# KiCad board beaglebone-ai.kicad_pcb (continued)
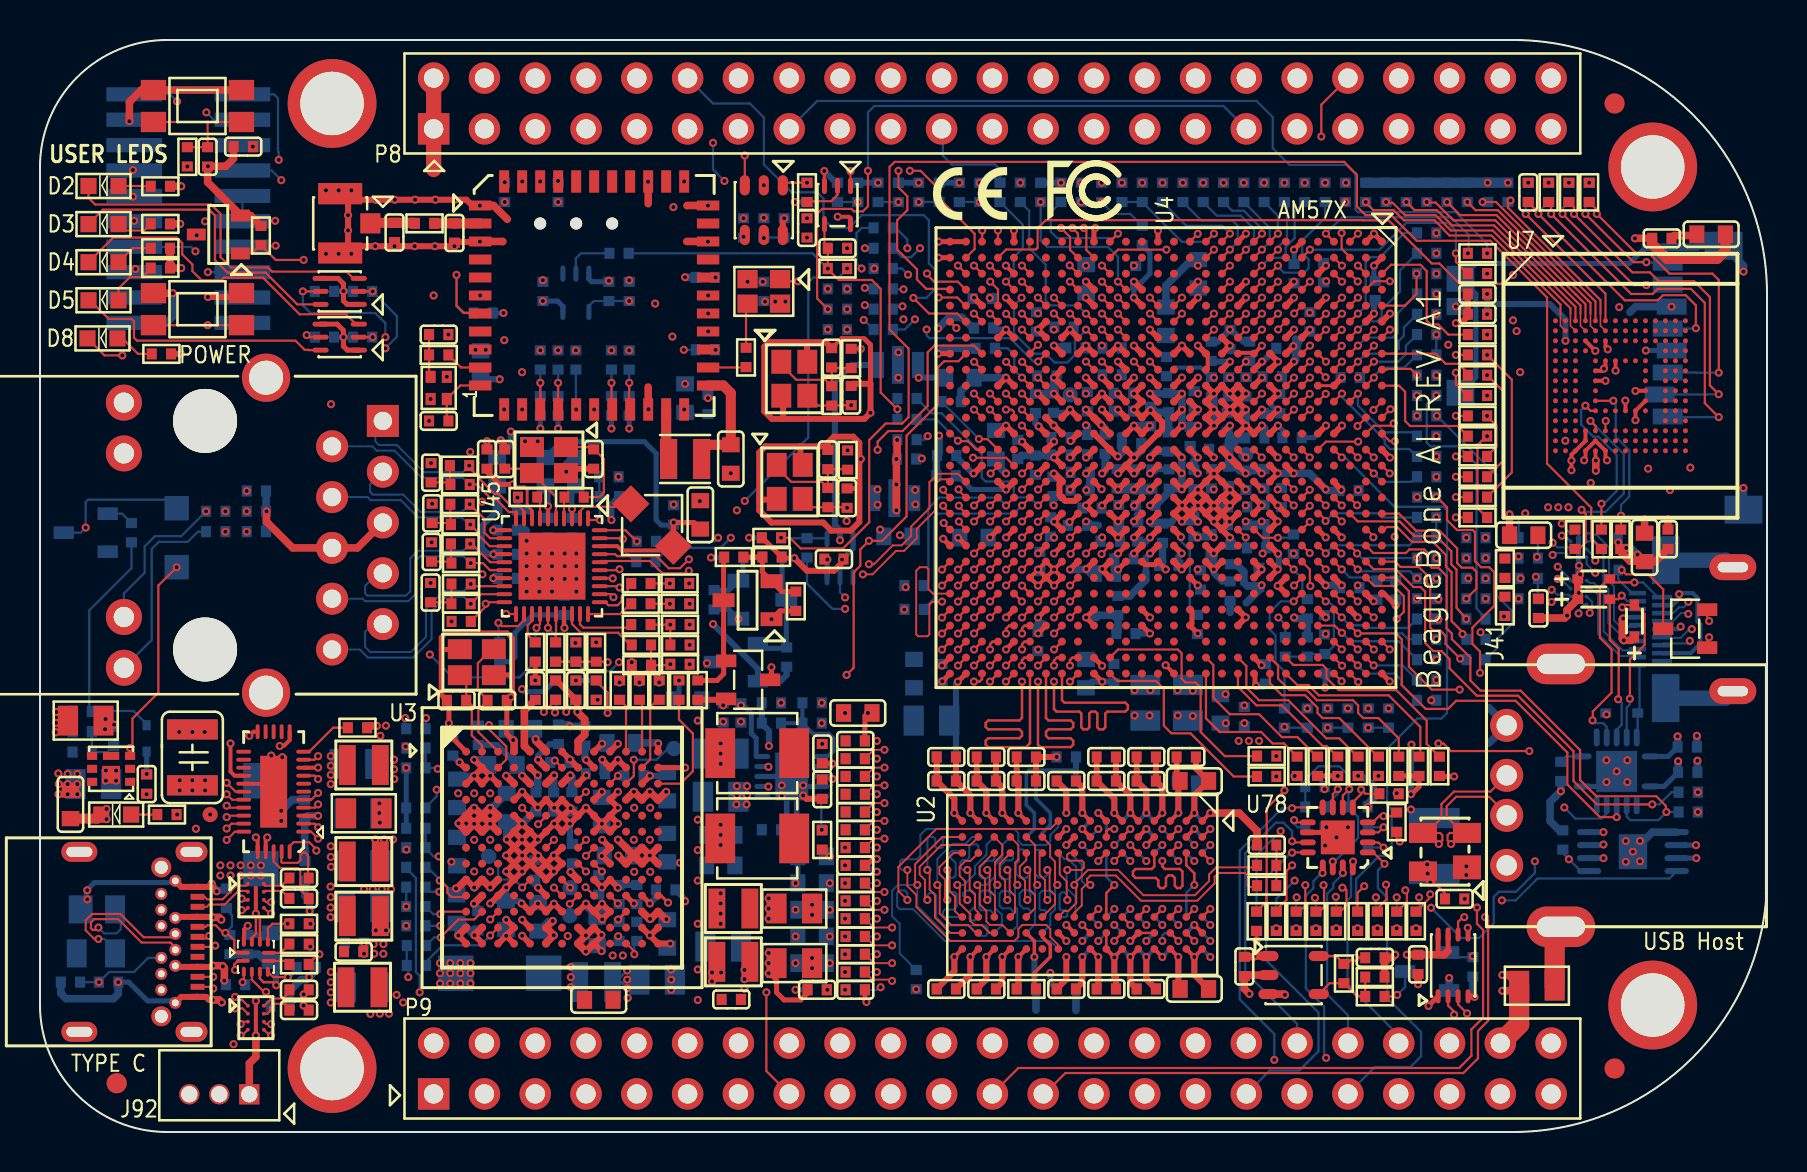
[diagram p0: board, top side]
## Routing (per net, layer and track width the routed paths; a pad name or vN(x,y) marks a point on that pad's centre or on a via; arc(x,y) is an arc through that point) (continued)
  SIG_L10 w0.102: v1(69.82,37.85) 69.84,37.85 70.55,37.14 70.55,36.13 70.29,35.88 70.29,35.24 69.85,34.8 v1(69.82,34.8)
/Exp Conn/LCD_VSYNC: length 41
  TOP w0.114: R666.2 73.22,33.62 73.22,37 v1(72.36,37.85)
  SIG_L8 w0.102: P8.27 53.98,51.44 53.98,53.34 54.36,53.72 58.86,53.72 59.31,53.28 59.31,52.13 59.88,51.56 66.14,51.56 66.68,51.03 66.68,48.11 67.03,47.75 67.67,47.75 68.81,46.61 68.81,46.28 69.04,46.05 70.21,46.05 70.74,45.52 70.74,44.58 70.41,44.25 70.41,42.98 71.78,41.61 71.78,38.39 72.33,37.85 v1(72.36,37.85)
/Exp Conn/MCASP_FSR: length 46
  SIG_L8 w0.102: P9.27 53.54,2.74 68.33,2.74 69.47,3.89 69.47,5.38 70.08,5.99 70.08,9.7 70.64,10.26 70.64,13.33 71.3,14 71.3,16.71 72.09,17.5 72.09,20.68 73.09,21.68 73.09,23.94 74.88,25.73 74.88,27.27 75.18,27.58 75.18,27.99 74.86,28.31 v1(74.86,28.76)
  BOTTOM w0.114: R669.2 R668.2
/Exp Conn/SPI3_D1: length 16.7
  SIG_L5 w0.102: v1(65.89,10.19) 66.29,9.78 66.29,8.03 63.98,5.71 63.98,4.29 62.94,3.25 56.59,3.25 P9.29
/Exp Conn/SPI3_SCLK: length 14.5
  SIG_L5 w0.102: v1(66.88,10.19) 66.88,10.13 66.66,9.92 66.66,7.92 64.24,5.5 64.24,4.19 63.04,3 58.88,3 P9.31
/Exp Conn/UART3_RXD: length 39.9
  SIG_L5 w0.102: P9.22 46.39,3.14 48.39,3.14 48.89,3.64 48.89,5.07 49.95,6.12 52.35,6.12 52.83,6.6 59.39,6.6 60.4,7.61 61.97,7.61 64.19,9.83 64.19,10.41 63.65,10.95 62.69,10.95 60.17,13.46 60.17,18.16 61.47,19.46 63.63,19.46 v1(64.39,20.22)
  BOTTOM w0.114: R697.2 v1(64.39,20.22)
/Exp Conn/UART3_TXD: length 45.6
  SIG_L5 w0.102: v1(66.42,20.22) 70,20.22 70.31,19.91 70.31,19.05 69.27,18.01 69.27,14.05 69.95,13.36 69.95,10.97 69.8,10.82 69.39,10.82 69.14,11.07 64.99,11.07 64.41,10.5 64.41,9.68 62.87,8.13 62.87,6.96 62.26,6.35 53.04,6.35 52.55,5.87 50.02,5.87 49.15,5 49.15,3.52 48.51,2.88 46.13,2.88 45.15,1.9 P9.21
  BOTTOM w0.114: R694.2 v1(66.42,20.22)
/Exp Conn/UART5_RXD: length 65
  SIG_L8 w0.102: P9.11 33.27,2.79 51.54,2.79 51.74,3 68.14,3 69.19,4.05 69.19,5.46 69.82,6.1 69.82,9.93 70.41,10.52 70.41,13.49 71.02,14.1 71.02,16.81 71.83,17.63 71.83,20.8 72.85,21.82 72.85,24.03 74.65,25.83 74.65,27.48 74.8,27.64 v1(74.8,27.76)
  BOTTOM w0.114: R687.2 74.9,27.58 74.8,27.69 v1(74.8,27.76) 74.88,27.69 R688.2
/Exp Conn/UART10_RXD: length 18
  SIG_L5 w0.102: P9.26 51.33,5.61 52.76,5.61 53.25,6.11 62.46,6.11 63.25,6.9 63.25,7.81 64.82,9.39 v1(64.82,10.19)
/HDMI/HDMI_CEC: length 8.7
  TOP w0.114: v1(79.5,21.67) 79.5,23.62 80.24,24.36 80.24,25.91 79.79,26.35 D25.2 79.24,26.35 v1(79.12,26.24)
  BOTTOM w0.114: U12.12 79.34,21.23 79.5,21.39 v1(79.5,21.67) ; v1(79.12,26.24) 79.17,26.24 79.26,26.15 J91.15
/HDMI/HDMI_CKN: length 8.6
  SIG_L5 w0.094: v1(82.42,26.52) 82.42,26.47 82.22,26.26 81.43,26.26 80.54,27.15 80.54,27.66 79.43,28.78 78.56,28.78 78.23,28.45 77.9,28.45 v1(77.77,28.57)
  BOTTOM w0.102: v1(82.42,26.52) 82.42,26.47 82.19,26.24 81.95,26.24 81.67,25.96 81.12,25.96 J91.14 ; U91.A3 77.78,28.69 77.78,28.57 v1(77.77,28.57)
/HDMI/HDMI_CKP: length 8.7
  SIG_L5 w0.094: v1(82.42,25.91) 82.35,25.91 82.3,25.96 81.31,25.96 80.24,27.03 80.24,27.53 79.3,28.47 78.69,28.47 78.36,28.14 77.95,28.14 v1(77.77,27.97)
  BOTTOM w0.102: v1(82.42,25.91) 82.37,25.96 82.07,25.96 81.65,25.55 J91.12 ; U91.A4 77.34,28.4 v1(77.77,27.97)
/HDMI/HDMI_HDP: length 3.7
  BOTTOM w0.114: U12.13 79.9,19.79 D24.2 79.98,21.04 79.98,23.25 J91.1
/HDMI/HDMI_SCL: length 8.9
  TOP w0.114: v1(79.1,26.82) 78.92,26.64 D21.2 78.5,24.6 78.94,24.16 78.94,21.67 v1(78.92,21.64)
  BOTTOM w0.114: v1(79.1,26.82) 79.37,26.55 J91.17 ; U12.11 78.84,20.12 79.1,20.37 79.1,21.46 v1(78.92,21.64)
/HDMI/HDMI_SDA: length 12.3
  TOP w0.114: v1(77.64,20.59) 77.65,20.6 77.65,21.03 78.59,21.97 78.59,24.13 78,24.71 78,27.23 78.44,27.66 D22.2 78.68,27.48 v1(79.73,27.48)
  BOTTOM w0.114: v1(79.73,27.48) 80.16,27.48 80.9,26.75 J91.18 ; v1(77.64,20.59) 77.77,20.45 78.16,20.45 78.34,20.26 U12.10
/HDMI/HDMI_T0N: length 6.5
  BOTTOM w0.102: J91.11 79.81,25.27 79.02,25.27 78.71,25.59 78.71,27.28 78.46,27.52 78.46,29.24 77.82,29.88 77.59,29.88 77.53,29.94 U91.A1
/HDMI/HDMI_T0P: length 6.5
  BOTTOM w0.102: J91.9 79.84,24.99 78.9,24.99 78.43,25.47 78.43,27.16 78.18,27.41 78.18,29.12 77.7,29.6 77.59,29.6 77.53,29.54 U91.A2
/HDMI/HDMI_T1N: length 8.4
  SIG_L5 w0.094: v1(77.5,25.96) 77.52,25.93 77.52,25.78 78,25.3 79.93,25.3 80.34,24.89 82.22,24.89 82.42,25.1 82.55,25.1 v1(82.6,25.15)
  BOTTOM w0.102: U92.A3 77.35,26.77 77.62,26.51 77.62,26.13 77.5,26.01 v1(77.5,25.96) ; J91.8 81.14,24.71 82.04,24.71 82.42,25.1 82.55,25.1 v1(82.6,25.15)
/HDMI/HDMI_T1P: length 8.3
  SIG_L5 w0.094: v1(82.5,24.56) 82.47,24.59 80.21,24.59 79.81,24.99 77.88,24.99 v1(76.94,25.93)
  BOTTOM w0.102: v1(82.5,24.56) 82.5,24.54 82.4,24.43 81.2,24.43 J91.6 ; U92.A4 77.23,26.37 76.94,26.09 v1(76.94,25.93)
/HDMI/HDMI_T2N: length 5.2
  BOTTOM w0.102: J91.5 79.82,24.09 79.14,24.09 78.19,25.03 78.19,26.98 77.71,27.46 77.5,27.46 77.38,27.57 U92.A1
/HDMI/HDMI_T2P: length 5.1
  BOTTOM w0.102: U92.A2 77.34,27.18 77.6,27.18 77.91,26.86 77.91,24.92 79.02,23.81 79.82,23.81 J91.3
/MMC_UBOOT/MMC2_CLK: length 21.7
  TOP w0.114: v1(78.3,35.56) 78.28,35.55 U7.M6
  SIG_L8 w0.102: v1(65.3,47.47) 65.3,47.41 65.85,46.86 65.85,46.23 66.14,45.94 66.9,45.94 69.28,43.56 69.28,42.67 69.53,42.42 70.56,42.42 71.56,41.41 71.56,38.09 72.29,37.36 72.57,37.36 73.05,36.88 77.61,36.88 78.3,36.19 v1(78.3,35.56)
  BOTTOM w0.114: R202.1 v1(65.3,47.47)
/MMC_UBOOT/MMC2_CMD: length 29.2
  TOP w0.114: v1(77.09,31.12) 77.29,30.91 77.29,29.49 76.96,29.16 R188.2 ; U4.H6 v1(61.9,40.93) ; U7.M5 77.79,35.07 77.79,35.31 v1(77.53,35.56)
  SIG_L8 w0.102: v1(61.9,40.93) 62.07,40.93 62.48,40.51 62.87,40.51 63.12,40.26 63.12,39.95 63.35,39.73 63.72,39.73 63.94,39.5 63.94,39.12 64.13,38.93 68.14,38.93 68.45,38.61 68.45,37.59 68.83,37.21 71.07,37.21 71.83,36.45 76.64,36.45 v1(77.53,35.56)
  BOTTOM w0.114: v1(77.09,31.12) 77.19,31.01 78.28,31.01 79.2,31.93 79.2,33.9 v1(77.53,35.56)
/MMC_UBOOT/MMC2_DAT0: length 22
  TOP w0.114: v1(68.33,46.51) 68.73,46.1 69.85,46.1 70.61,45.34 72.71,45.34 76.78,41.26 U7.A3 ; U4.J4 v1(61.1,42.53)
  SIG_L5 w0.102: v1(68.33,46.51) 68.02,46.51 67.28,45.77 62.22,45.77 61.51,45.07 61.51,43.17 61.1,42.77 v1(61.1,42.53)
/MMC_UBOOT/MMC2_DAT1: length 23
  TOP w0.114: v1(70.36,46.51) 71.01,45.85 72.83,45.85 76.79,41.89 77.28,41.4 U7.A4 ; U4.J6 v1(61.1,40.92)
  SIG_L5 w0.102: v1(61.1,40.92) 61.1,40.93 61.37,40.93 61.77,41.33 62.15,41.33 62.31,41.48 62.31,41.91 62.48,42.09 62.87,42.09 63.07,42.29 63.07,43.05 64.49,44.48 67.01,44.48 68.12,45.59 69.88,45.59 70.36,46.08 v1(70.36,46.51)
/MMC_UBOOT/MMC2_DAT2: length 22.9
  TOP w0.114: U4.H4 v1(61.9,42.53) ; v1(72.14,46.51) 72.81,46.51 77.78,41.53 U7.A5
  SIG_L5 w0.102: v1(72.14,46.51) 71.55,47.09 70.02,47.09 69.72,46.8 69.72,46.16 69.61,46.05 67.93,46.05 67.42,45.54 63.32,45.54 62.29,44.51 62.29,43.19 61.9,42.8 v1(61.9,42.53)
/MMC_UBOOT/MMC2_DAT3: length 25.1
  TOP w0.081: 76.03,40.92 76.03,40.32 U7.B2
  TOP w0.114: U4.H5 v1(61.9,41.73) ; v1(66.29,46.51) 66.29,46.48 66.68,46.1 67.69,46.1 68.2,45.59 69.74,45.59 70.21,45.12 70.21,45.1 70.49,44.83 72.58,44.83 76.03,41.38 76.03,40.92
  SIG_L5 w0.102: v1(61.9,41.73) 61.8,41.73 61.4,41.32 60.94,41.32 60.7,41.55 60.7,45.15 61.66,46.1 65.89,46.1 v1(66.29,46.51)
/MMC_UBOOT/MMC2_DAT4: length 26.8
  TOP w0.081: 76.53,40.92 76.53,40.32 U7.B3
  TOP w0.114: v1(67.31,46.51) 67.35,46.46 67.65,46.46 68.26,45.85 69.79,45.85 70.55,45.08 72.64,45.08 76.53,41.2 76.53,40.92 ; U4.K7 v1(60.3,40.12)
  SIG_L5 w0.102: v1(60.3,40.13) 60.1,40.32 60.1,40.32 59.9,40.52 59.9,45.3 61.1,46.49 64.6,46.49 65,46.89 66.93,46.89 v1(67.31,46.51)
/MMC_UBOOT/MMC2_DAT5: length 28.2
  TOP w0.081: 77.03,40.92 77.03,40.32 U7.B4
  TOP w0.114: 77.03,40.92 77.03,41.33 72.77,45.59 70.68,45.59 69.79,46.48 69.37,46.48 v1(69.34,46.51) ; U4.M7 v1(58.7,40.13)
  SIG_L5 w0.102: v1(69.34,46.51) 68.76,47.09 64.87,47.09 64.57,46.79 60.81,46.79 59.15,45.13 59.15,41.07 59.15,40.57 v1(58.7,40.13)
/MMC_UBOOT/MMC2_DAT6: length 24.1
  TOP w0.081: U7.B5 77.53,40.32 77.53,40.92
  TOP w0.114: v1(61.1,41.73) U4.J5 ; 77.53,40.92 77.53,41.47 77.43,41.57 77.43,41.57 72.9,46.1 71.78,46.1 v1(71.37,46.51)
  SIG_L5 w0.102: v1(71.37,46.51) 70.99,46.89 70.13,46.89 69.98,46.74 69.98,46.05 69.77,45.85 68.05,45.85 67.54,45.34 64.01,45.34 63.07,44.4 63.07,43.51 62.31,42.75 62.31,42.29 62.14,42.13 61.5,42.13 v1(61.1,41.73)
/MMC_UBOOT/MMC2_DAT7: length 28.5
  TOP w0.081: U7.B6 78.03,40.32 78.03,40.92
  TOP w0.114: U4.K6 v1(60.3,40.93) ; 78.03,40.92 78.03,41.6 73.41,46.23 73.41,46.46 v1(73.53,46.58)
  SIG_L5 w0.102: v1(73.53,46.58) 73.53,43.33 72.72,42.52 69.42,42.52 69.04,42.14 66.93,42.14 66.14,42.93 65.71,42.93 65.51,42.72 65.51,41.58 65.25,41.33 64.08,41.33 63.91,41.15 63.91,40.77 63.65,40.51 60.72,40.51 v1(60.3,40.92)
/USB/CC1: length 5
  TOP w0.114: U22.1 9.83,8.96 9.72,9.08 9.72,9.59 9.3,10.01 ; 9.3,10.01 9.3,9.98 v1(9.27,9.96) ; 9.3,10.01 9.27,10.03 9.09,10.03 8.79,10.34 8.36,10.34 8.28,10.26 J42.A5
  BOTTOM w0.114: R533.1 9.32,11.13 9.6,10.85 9.6,10.29 v1(9.27,9.96) 9.4,9.96 D46.2
/USB/CC2: length 17.5
  TOP w0.114: v1(9.75,8.1) 9.72,8.14 9.72,8.38 9.9,8.56 U22.2
  INT_L3 w0.102: J42.B5 5.21,7.85 5.21,5.41 5.66,4.95 6.4,4.95 7.26,5.82 10.01,5.82 10.34,6.15 10.34,6.88 10.59,7.14 10.59,7.75 10.24,8.1 v1(9.75,8.1)
  BOTTOM w0.114: R534.1 v1(2.95,7.49) 3.45,8 4.7,8 5.4,8.71 6.06,8.71 J42.B5
/USB/DC_SW_CTL: length 13.5
  TOP w0.114: v1(6.83,28.24) 5.92,27.33 5.92,21.97 4.62,20.68 4.62,19.33 v1(4.5,19.2) 4.51,19.19 Q15.3
  BOTTOM w0.114: C457.2 R553.2 3.35,19 3.66,19.3 R554.1 4.39,19.3 v1(4.5,19.2)
/USB/DIR: length 18.8
  TOP w0.114: v1(11.3,7.01) 11.2,7.01 10.59,7.62 U22.4 ; v1(13.91,18.8) 13.73,18.62 U72.10 ; v1(13.82,14.07) 13.82,14.14 13.46,14.49 12.68,14.49 12.48,14.29 U72.32
  INT_L3 w0.102: v1(11.3,7.01) 11.4,6.91 12.47,6.91 12.98,7.42 12.98,13.12 13.82,13.96 v1(13.82,14.07)
  SIG_L5 w0.102: v1(13.82,14.07) 13.82,14.14 13.51,14.44 13.51,18.4 v1(13.91,18.8)
  BOTTOM w0.114: R541.2 11.53,6.78 v1(11.3,7.01)
/USB/PWR_OV_CTL: length 12.7
  BOTTOM w0.114: R552.1 4.57,28.19 2.46,26.09 2.46,20.95 2.54,21.03 ; D76.2 5.33,20.4 4.67,21.06 2.57,21.06 2.54,21.03 ; 2.54,21.03 R551.2
/USB/SSRX1+: length 4.7
  TOP w0.109: U88.A3 10.37,11.58 10.2,11.58 10.11,11.67 v1(10.08,11.67)
  SIG_L10 w0.114: 6.07,11.91 6.33,11.64 7.98,11.64 8.25,11.37 9.61,11.37 9.89,11.65 10.06,11.65 v1(10.08,11.67)
  SIG_L10 w0.203: J42.B11 6.07,11.91
/USB/SSRX1-: length 4.6
  TOP w0.109: v1(10.08,11.1) 10.11,11.1 10.12,11.09 10.27,11.09 U88.A4
  SIG_L10 w0.114: 6.07,11.11 6.33,11.37 7.87,11.37 8.14,11.1 9.86,11.1 9.87,11.11 9.9,11.07 10.06,11.07 v1(10.08,11.1)
  SIG_L10 w0.203: J42.B10 6.07,11.11
/USB/SSRX1N_A: length 8.2
  TOP w0.109: U88.C4 11.48,10.92 v1(11.56,10.92) ; U72.26 9.58,15.42 v1(9.33,15.18)
  SIG_L10 w0.114: v1(11.56,10.92) 11.6,10.92 11.71,11.04 11.98,11.04 12.27,11.32 12.27,13.2 11.16,14.3 10.62,14.3 10.41,14.5 10.41,14.92 10.16,15.18 v1(9.33,15.18)
/USB/SSRX1P_A: length 8.2
  TOP w0.109: v1(9.33,14.6) 9.75,15.02 U72.27 ; U88.C3 11.31,11.49 v1(11.56,11.49)
  SIG_L10 w0.114: v1(11.56,11.49) 11.75,11.3 11.87,11.3 12,11.43 12,13.08 11.05,14.03 10.51,14.03 10.15,14.39 10.15,14.81 10.05,14.91 9.89,14.91 9.78,14.8 9.78,14.35 9.65,14.22 9.46,14.22 9.33,14.35 v1(9.33,14.6)
/USB/SSRX2+: length 5.8
  TOP w0.109: U89.A3 10.14,5.51 10.03,5.41 v1(10.03,5.4) ; J42.A11 8.58,7.26 v1(8.66,7.18)
  SIG_L10 w0.114: v1(10.03,5.4) 9.88,5.25 9.41,5.25 9.26,5.39 9.26,5.55 9.45,5.74 9.45,5.9 9.29,6.06 9.13,6.06 8.95,5.89 8.74,5.89 8.23,6.4 8.23,7.28 8.34,7.39 8.52,7.39 8.66,7.25 v1(8.66,7.18)
/USB/SSRX2-: length 5.9
  TOP w0.109: v1(8.66,7.76) 8.66,7.76 J42.A10 ; v1(10.03,4.83) 10.11,4.83 U89.A4
  SIG_L10 w0.114: v1(10.03,4.83) 9.88,4.98 9.27,4.98 7.96,6.29 7.96,7.39 8.23,7.66 8.56,7.66 8.56,7.66 v1(8.66,7.76)
/USB/SSRX2N_A: length 17.8
  TOP w0.109: v1(9.33,17.46) 9.78,17.02 U72.22 ; U89.C4 11.48,4.83 v1(11.56,4.83)
  SIG_L8 w0.109: v1(9.33,17.46) 9.46,17.34 11.76,17.34 13.08,16.02 13.08,7.36 12.67,6.95 12.67,5.71 11.96,5 11.73,5 v1(11.56,4.83)
/USB/SSRX2P_A: length 17.7
  TOP w0.109: v1(9.33,16.89) 9.61,16.62 U72.23 ; U89.C3 11.31,5.4 v1(11.56,5.4)
  SIG_L8 w0.109: v1(9.33,16.89) 9.33,16.95 9.42,17.04 9.72,17.04 9.84,16.92 9.84,16.75 9.95,16.64 10.18,16.64 10.29,16.75 10.29,16.92 10.41,17.03 10.64,17.03 10.75,16.92 10.75,16.75 10.86,16.64 11.09,16.64 11.21,16.75 11.21,16.92 11.33,17.04 11.64,17.04 12.78,15.9 12.78,7.49 12.37,7.08 12.37,5.83 11.84,5.3 11.65,5.3 v1(11.56,5.4)
/USB/SSTX1+: length 2.9
  TOP w0.109: J42.A2 8.23,11.76 8.35,11.64 9.13,11.64 9.82,12.32 10.3,12.32 U88.A1
/USB/SSTX1-: length 2.9
  TOP w0.109: J42.A3 8.34,11.26 8.45,11.38 9.24,11.38 9.92,12.06 10.35,12.06 U88.A2
/USB/SSTX1N_A: length 1.5
  TOP w0.109: U88.C2 11.24,12.06 12.1,12.06 C444.1
/USB/SSTX1N_C: length 3.6
  TOP w0.109: C444.2 13.02,12.1 13.02,13.08 12.9,13.2 12.01,13.2 11.68,13.53 U72.30
/USB/SSTX1P_A: length 1.5
  TOP w0.109: U88.C1 11.19,12.38 11.26,12.32 12.09,12.32 C443.1
/USB/SSTX1P_C: length 3.5
  TOP w0.109: C443.2 13.4,12.7 13.4,13.84 13.27,13.97 13.14,13.97 13.02,13.84 13.02,13.59 12.89,13.46 12.12,13.46 12.06,13.51 12.06,14.02 U72.31
/USB/SSTX2+: length 9
  TOP w0.109: U89.A1 10.11,6.6 9.91,6.6 v1(9.75,6.76)
  SIG_L10 w0.114: v1(9.75,6.76) 9.93,6.76 10.62,7.44 10.62,8.18 10.12,8.68 7.98,8.68 7.49,8.2 7.49,7.87 7.19,7.57 7.19,7.24 7.09,7.14 6.93,7.14 6.83,7.24 6.83,7.47 6.72,7.58 6.54,7.58 J42.B2
/USB/SSTX2-: length 9.1
  TOP w0.109: v1(9.75,6.18) 10.13,6.18 U89.A2
  SIG_L10 w0.114: J42.B3 6.07,7.91 6.12,7.85 7.09,7.85 7.23,7.98 7.23,8.31 7.87,8.95 10.23,8.95 10.88,8.29 10.88,7.33 9.75,6.2 v1(9.75,6.18)
/USB/SSTX2N_A: length 1.8
  TOP w0.109: U89.C2 11.38,5.91 11.49,6.03 11.49,6.22 11.68,6.41 12.26,6.41 12.47,6.2 C445.1
/USB/SSTX2N_C: length 14.9
  TOP w0.109: v1(13.18,6.32) 13.21,6.32 C445.2 ; U72.24 9.44,16.22 v1(9.33,16.32)
  SIG_L10 w0.114: v1(9.33,16.32) 9.33,16.29 9.46,16.17 11.39,16.17 11.66,15.9 11.66,15.39 12.33,14.72 12.33,14.21 13.07,13.47 13.07,9.06 14.11,8.01 14.11,7.06 13.59,6.54 13.37,6.54 13.18,6.35 v1(13.18,6.32)
/USB/SSTX2P_A: length 1.7
  TOP w0.109: U89.C1 11.22,6.31 11.58,6.68 12.14,6.68 12.47,7.01 C446.1
/USB/SSTX2P_C: length 14.9
  TOP w0.109: v1(9.33,15.75) 9.4,15.82 U72.25 ; C446.2 13.21,6.88 v1(13.18,6.88)
  SIG_L10 w0.114: v1(13.18,6.88) 13.26,6.81 13.26,6.81 13.48,6.81 13.84,7.17 13.84,7.9 12.8,8.94 12.8,13.36 12.06,14.1 12.06,14.61 11.39,15.28 11.39,15.79 11.28,15.9 11.07,15.9 10.99,15.81 10.99,15.62 10.86,15.49 10.73,15.49 10.6,15.62 10.6,15.75 10.45,15.9 10.29,15.9 10.16,15.77 10.16,15.62 10.05,15.51 9.89,15.51 9.78,15.62 9.78,15.81 9.69,15.9 9.49,15.9 v1(9.33,15.75)
/WiFi/LPO_IN_32K: length 1.9
  TOP w0.114: U37.24 35.29,38.23 R576.2
/WiFi/MMC4_DATA0_R: length 2.7
  TOP w0.114: U37.18 28.57,36.17 v1(28.57,37.46)
  BOTTOM w0.114: R564.2 v1(28.57,37.46) R336.2
/WiFi/MMC4_DATA1_R: length 2.7
  TOP w0.114: v1(29.46,37.46) 29.46,36.18 U37.19
  BOTTOM w0.114: R337.2 v1(29.46,37.46) R565.2
/WiFi/MMC4_DATA2_R: length 2.7
  TOP w0.114: U37.14 25.02,36.14 v1(25.02,37.46)
  BOTTOM w0.114: R561.2 v1(25.02,37.46) R333.2
/WiFi/MMC4_DATA3_R: length 2.7
  TOP w0.114: U37.15 25.91,36.13 v1(25.91,37.46)
  BOTTOM w0.114: R562.2 v1(25.91,37.46) R334.2
/WiFi/WIFI/BT_VDDIO: length 1.2
  BOTTOM w0.114: C3.1 32.35,35.9 R611.1
  vias: v1(32.21,36.13)
/WiFi/WIFI_LDO_IN: length 6
  TOP w0.508: L30.2 33.08,34.24 33.21,34.37 C464.1 34.54,36.96 34.17,37.33 U37.23
/WiFi/WIFI_LDO_OUT: length 2.5
  TOP w0.508: L30.1 31.31,33.78 U37.21
/WiFi/X4_XTAL_IN: length 1.9
  TOP w0.114: U37.10 21.05,38.23 R294.2
/WiFi/X4_XTAL_IN_R: length 2.1
  TOP w0.114: X4.3 19.46,37.84 R294.1 C463.1
/WiFi/X4_XTAL_OUT: length 3.1
  TOP w0.114: C68.1 20.34,35.64 X4.1 21.02,37.33 U37.11
A3_GPIO4_27: length 7.4
  TOP w0.114: R682.1 70.42,39.88 69.91,40.39 69.53,40.39 69.34,40.58 69.34,43.05 69.02,43.37 67.56,43.37 67.12,42.93 U4.A3
A5_VOUT1_D12: length 3
  TOP w0.114: v1(68.83,42.93) 68.83,41.91 68.25,41.33 U4.A5
A7_GPIO8_18: length 34.6
  TOP w0.114: U4.A7 v1(67.5,40.13)
  SIG_L8 w0.102: P8.17 40,50.1 41.08,49.02 43.69,49.02 44.2,48.51 46.86,48.51 47.43,47.94 47.43,47.54 48.87,46.1 53.72,46.1 54,45.82 61.05,45.82 61.46,45.41 61.46,43.98 61.76,43.68 62.11,43.68 62.29,43.5 62.29,42.42 62.61,42.1 62.87,42.1 63.12,41.85 63.12,40.72 63.33,40.51 67.12,40.51 v1(67.5,40.13)
A8_GPIO8_19: length 4.8
  TOP w0.114: R667.1 71.4,37.95 70.93,38.42 70.29,38.42 69.79,38.92 U4.A8
A9_GPIO8_21: length 1.9
  TOP w0.114: U4.A9 67.33,38.12 67.37,38.16 68.54,38.16 v1(68.86,37.85)
A10_GPIO8_23: length 6.2
  TOP w0.114: U4.A10 67.96,37.32 68.26,37.02 68.26,35.56 68.52,35.31 70.89,35.31 R665.1
A11_SPI3_D1: length 28.2
  TOP w0.114: U4.A11 v1(66.68,36.1) ; v1(66.22,12.29) 65.89,11.96 R643.1
  SIG_L10 w0.102: v1(66.68,36.1) 66.68,34.5 66.29,34.11 66.29,33.55 66.52,33.32 66.88,33.32 67.06,33.15 67.06,32.38 67.67,31.78 67.67,30.86 68.45,30.07 68.45,20.54 66.52,18.61 66.52,17.22 66.81,16.93 66.81,16.07 66.32,15.57 66.32,12.42 66.22,12.32 v1(66.22,12.29)
A12_SPI3_CS0: length 57.1
  TOP w0.114: U4.A12 v1(67.52,36.15)
  SIG_L5 w0.102: P9.28 53.78,3.37 55.94,3.37 56.51,3.94 56.51,5.02 57.09,5.59 62.89,5.59 63.88,6.58 63.88,7.43 65.51,9.06 65.51,10.45 65.67,10.62 68.94,10.62 70.05,9.5 71.58,9.5 72.69,10.62 72.69,11.4 71.93,12.17 71.93,22.28 72.39,22.73 72.39,24.13 73.58,25.32 73.58,25.93 73.2,26.31 73.2,27.74 72.82,28.12 72.82,29.92 71.93,30.81 71.93,33.71 71.22,34.42 69.25,34.42 v1(67.52,36.15)
A13_TIMER10: length 50.4
  TOP w0.114: U4.A13 67.12,34.93 67.5,34.54 v1(67.75,34.54)
  SIG_L8 w0.102: v1(67.75,34.54) 66.61,34.54 66.23,34.93 64.07,34.93 63.88,35.12 63.88,35.5 63.69,35.69 63.37,35.69 63.12,35.94 63.12,36.26 62.87,36.51 62.55,36.51 62.29,36.77 62.29,37.08 62.04,37.34 61.72,37.34 61.47,37.59 61.47,37.91 61.21,38.16 60.9,38.16 60.71,38.35 60.71,39.18 59.89,39.99 59.89,42.64 59.65,42.88 59.23,42.88 58.15,43.97 56.71,43.97 56.48,43.74 55.84,43.74 55.14,44.45 50.86,44.45 49.78,45.53 46.86,45.53 45.3,47.09 38.19,47.09 37.21,48.07 33.91,48.07 33.02,48.96 31.62,48.96 31.05,49.53 31.05,51.5 P8.10
A21_UART8_TXD: length 7.9
  TOP w0.114: U4.A21 67.77,28.53 68.03,28.26 68.95,28.26 69.34,27.86 69.34,27.46 69.52,27.28 69.52,25.22 69.65,25.1 70,25.1 70.28,24.82 70.28,24.41 v1(71.02,23.67)
  BOTTOM w0.114: v1(71.02,23.67) 71.07,23.62 R627.1
A22_SPI2_CS1: length 52.8
  TOP w0.114: U4.A22 67.78,27.73 68.45,27.05 68.45,23.27 69.6,22.12 v1(70.99,22.12) ; P9.23 48.92,3.2 70.97,3.2 71.58,3.81 71.58,5.13 72.16,5.71 72.16,10.11 71.86,10.41 v1(71.86,11.23)
  SIG_L5 w0.102: v1(71.86,11.23) 71.91,11.28 71.91,11.53 71.22,12.22 71.09,12.22 70.87,12.45 70.87,13.46 71.42,14.02 71.42,21.69 v1(70.99,22.12)
A26_UART3_RXD: length 5.1
  TOP w0.114: U4.A26 v1(67.49,24.13)
  INT_L3 w0.102: v1(67.49,24.13) 67.49,23.3 67.12,22.92 65.79,22.92 65.47,22.61 65.47,21.25 v1(65.4,21.18)
AB5_MMC3_DATA7: length 34.8
  TOP w0.114: U4.AB5 v1(49.9,41.73)
  SIG_L8 w0.102: v1(49.9,41.73) 49.66,41.73 49.28,41.34 46.39,41.34 45.21,42.52 42.11,42.52 42.01,42.62 40.18,42.62 39.83,42.27 39.83,41.96 39.65,41.78 38.05,41.78 36.32,43.51 35.84,43.51 33.96,45.39 31.45,45.39 29.39,47.45 27.99,47.45 25.93,49.5 25.93,50.93 25.37,51.49 23.44,51.49 P8.4
AB8_MMC3_DATA6: length 34.5
  TOP w0.114: v1(49.91,38.53) 49.92,38.53 49.92,38.54 U4.AB8
  SIG_L8 w0.102: P8.3 23.85,48.54 25.95,48.54 27.8,46.69 29.06,46.69 31.8,43.94 34.24,43.94 35,43.18 35,41.39 35.6,40.79 40.69,40.79 40.89,41 41.96,41 42.7,40.26 44.04,40.26 44.17,40.13 v1(44.34,40.13)
  BOTTOM w0.114: v1(49.91,38.53) 49.92,38.53 49.92,38.54 49.9,38.54 49.91,38.54 49.66,38.54 48.5,39.7 44.48,39.7 44.34,39.84 v1(44.34,40.13)
AC3_MMC3_DATA3: length 32.6
  TOP w0.114: U4.AC3 v1(49.1,43.33)
  SIG_L8 w0.102: v1(49.1,43.33) 48.7,42.93 46.53,42.93 46.3,43.15 46.3,43.89 45.11,45.08 40.54,45.08 39.5,44.04 37.54,44.04 36.44,45.15 36.09,45.15 35.74,45.5 35.74,45.9 35.53,46.1 34.11,46.1 33.99,45.97 32.96,45.97 32.77,46.16 32.77,47.69 32.51,47.94 27.94,47.94 26.19,49.7 26.19,51.35 24.83,52.7 P8.6
AC4_MMC3_CMD: length 15.4
  TOP w0.114: U4.AC4 v1(49.1,42.53)
  INT_L3 w0.102: v1(49.1,42.53) 48.75,42.88 48.75,43.56 49.17,43.99 49.17,46.66 48.59,47.24 48.59,47.55 48.23,47.9 46.66,47.9 45.73,48.83 44.58,48.83 43.81,49.59 43.81,51.44 P8.20
AC6_MMC3_DATA1: length 15.7
  TOP w0.114: U4.AC6 v1(49.1,40.93)
  INT_L3 w0.102: v1(49.1,40.93) 49.1,41.1 49.53,41.53 49.53,41.91 49.78,42.16 49.78,46.23 49.66,46.35 49.66,48.13 49.09,48.7 47.05,48.7 46.42,49.34 46.42,51.5 P8.24
AC7_MMC3_DATA0: length 11.4
  TOP w0.114: U4.AC7 v1(49.1,40.13)
  INT_L3 w0.102: P8.25 50.42,49.91 50.42,46.35 50.29,46.23 50.29,41.54 50.05,41.29 49.75,41.29 49.53,41.07 49.53,40.55 v1(49.1,40.13)
AC8_MMC3_DATA4: length 17.6
  TOP w0.114: v1(49.9,39.36) 49.5,38.96 U4.AC8
  INT_L3 w0.102: v1(49.9,39.36) 49.9,39.62 50.34,40.06 50.34,41.08 50.63,41.37 50.85,41.37 51.06,41.58 51.06,42.35 50.67,42.74 50.67,48.45 51.5,49.28 51.5,50.55 50.74,51.31 48.77,51.31 P8.23
AC9_MMC3_DATA2: length 29.9
  TOP w0.114: U4.AC9 v1(49.11,38.52)
  SIG_L8 w0.102: v1(43.18,40.64) 42.06,41.76 40.84,41.76 40.61,41.52 37.98,41.52 36.25,43.26 35.74,43.26 33.86,45.14 31.27,45.14 29.29,47.12 27.81,47.12 P8.5
  SIG_L10 w0.102: v1(43.18,40.64) 44.07,39.75 47.88,39.75 48.84,38.79 48.84,38.78 v1(49.11,38.52)
AD4_MMC3_CLK: length 5.2
  BOTTOM w0.114: R585.1 48.01,48.13 47.75,48.39 45.59,48.39 45.15,48.83 45.15,50.1 P8.21
AD6_MMC3_DATA5: length 16.1
  TOP w0.114: U4.AD6 v1(48.31,40.92)
  INT_L3 w0.102: P8.22 45.97,51.82 45.97,49.09 46.8,48.26 48.83,48.26 49.4,47.69 49.4,46.23 49.48,46.15 49.48,42.25 49.34,42.1 48.96,42.1 48.7,41.85 48.7,41.31 v1(48.31,40.92)
AD9_EQEP1A_IN: length 9.5
  TOP w0.114: U4.AD9 v1(48.31,38.52)
  INT_L3 w0.102: v1(40.36,40.13) 40.69,39.8 42.65,39.8 43.13,39.32 45.29,39.32 46.48,38.13 47.19,38.13 47.58,38.52 v1(48.31,38.52)
AE2_GPIO3_24: length 75.8
  TOP w0.114: v1(73.66,42.86) 73.22,42.42 70.99,42.42 69.98,43.43 69.6,43.43 67.44,45.59 66.17,45.59 66.16,45.6 50.29,45.6 49.89,45.19 49.89,44.22 49.8,44.13 48.31,44.13 U4.AE2
  SIG_L5 w0.102: v1(64.8,11.76) 66.24,11.76 66.62,12.14 66.95,12.14 67.11,11.99 67.54,11.99 68.1,12.55 68.45,12.55 68.68,12.32 68.68,11.96 68.45,11.73 68.45,11.51 68.63,11.33 69.42,11.33 69.53,11.21 v1(69.56,11.21) ; v1(74.75,13.54) 74.85,13.64 74.85,20.83 73.08,22.61 73.08,23.8 74.52,25.25 74.52,27.1 74.42,27.2 74.42,30.4 74.73,30.71 74.73,41.8 v1(73.66,42.86)
  BOTTOM w0.114: v1(69.56,11.21) 71.07,9.7 71.96,9.7 72.69,10.44 72.69,11.76 72.95,12.01 73.81,12.01 74.75,12.95 v1(74.75,13.54) ; R653.1 64.82,11.73 v1(64.8,11.76)
AF8_TIMER13: length 43
  TOP w0.114: U4.AF8 46.7,39.33 44.72,39.33 44.39,38.99 44.39,36.31 43.13,35.05 42.42,35.05 41.88,34.52 v1(41.88,34.11)
  SIG_L8 w0.102: v1(41.88,34.11) 41.88,33.99 42.67,33.2 45.49,33.2 46.96,31.72 47.7,31.72 47.9,31.52 47.9,31.19 48.18,30.91 49.28,30.91 49.53,30.66 49.53,30.3 49.71,30.12 50.88,30.12 51.1,29.9 51.1,28.78 51.36,28.52 54.18,28.52 56.64,26.06 56.64,24.94 58.29,23.29 58.29,22.33 59.66,20.95 62.81,20.95 63.02,20.75 66.98,20.75 67.41,21.18 v1(67.44,21.18)
AF9_EQEP1B_IN: length 8.7
  TOP w0.114: U4.AF9 v1(46.71,38.52)
  INT_L3 w0.102: v1(46.71,38.52) 46.71,39.27 46.43,39.55 43.23,39.55 42.62,40.16 40.97,40.16 40.36,40.77 v1(40.36,41.15)
AG4_GPIO3_12: length 49.9
  TOP w0.114: U4.AG4 46.29,42.13 45.9,42.52 44.72,42.52 44.35,42.88 v1(44.35,42.93) ; v1(36.32,6.99) 36.32,3.05 P9.15
  SIG_L10 w0.102: v1(44.35,42.93) 44.06,42.93 43.69,43.31 43.24,43.31 42.55,42.61 42.55,40 40.89,38.35 39.5,38.35 38.13,36.98 38.13,23.77 35.94,21.59 35.94,16.71 36.83,15.82 36.83,7.49 v1(36.32,6.99)
AG6_GPIO3_10: length 25.5
  TOP w0.114: U4.AG6 46.27,40.52 45.87,40.93 44.45,40.93 v1(43.67,41.71)
  BOTTOM w0.114: v1(43.67,41.71) 44.32,41.71 44.77,42.16 44.77,43.12 44.45,43.43 44.45,45.59 44.2,45.85 41.08,45.85 40.45,45.21 39.62,45.21 39.18,45.66 39.18,46.67 38.86,46.99 37.59,46.99 36.19,48.39 36.19,50.74 35.5,51.44 33.65,51.44 P8.12
AH4_GPIO3_11: length 19.8
  TOP w0.114: U4.AH4 45.47,42.16 44.32,42.16 43.85,42.63 43.85,43.14 42.86,44.13 42.86,45.59 43.37,46.1 43.37,46.8 42.93,47.24 v1(42.93,48.07)
  SIG_L8 w0.102: v1(42.93,48.07) 41.97,48.07 41.58,47.68 38.68,47.68 37.97,48.39 34.16,48.39 P8.11
AIN0: length 14.7
  TOP w0.114: v1(64.13,12.95) 64.15,12.97 U78.13
  SIG_L5 w0.102: v1(64.31,3.71) 64.8,3.23 66.65,3.23 67.94,1.93 P9.39
  BOTTOM w0.114: v1(64.13,12.95) 64.08,12.95 63.68,12.55 63.68,12.19 63.3,11.81 63.3,7.19 64.21,6.27 64.21,3.81 v1(64.31,3.71)
AIN1: length 10.6
  TOP w0.114: U78.16 65.65,13.51 v1(65.66,13.53)
  BOTTOM w0.114: v1(65.66,13.53) 65.56,13.42 65.56,11.76 65.38,11.58 65.38,7.39 67.94,4.83 P9.40
AIN2: length 16.2
  TOP w0.114: U78.1 66.66,13.98 v1(67.23,13.41)
  BOTTOM w0.114: P9.37 66.75,3.25 68.53,3.25 69.06,3.78 69.06,5 67.36,6.71 67.36,11.73 66.9,12.19 66.9,13.08 v1(67.23,13.41)
AIN3: length 9.5
  TOP w0.114: U78.15 65.15,12.96 v1(65.15,12.95)
  BOTTOM w0.114: v1(65.15,12.95) 65.15,12.9 64.67,12.42 64.67,12.22 64.36,11.91 64.36,6.88 65.4,5.84 P9.38
